# Altium PCB 工控主板.PcbDoc (part 1 of 2) (continued)
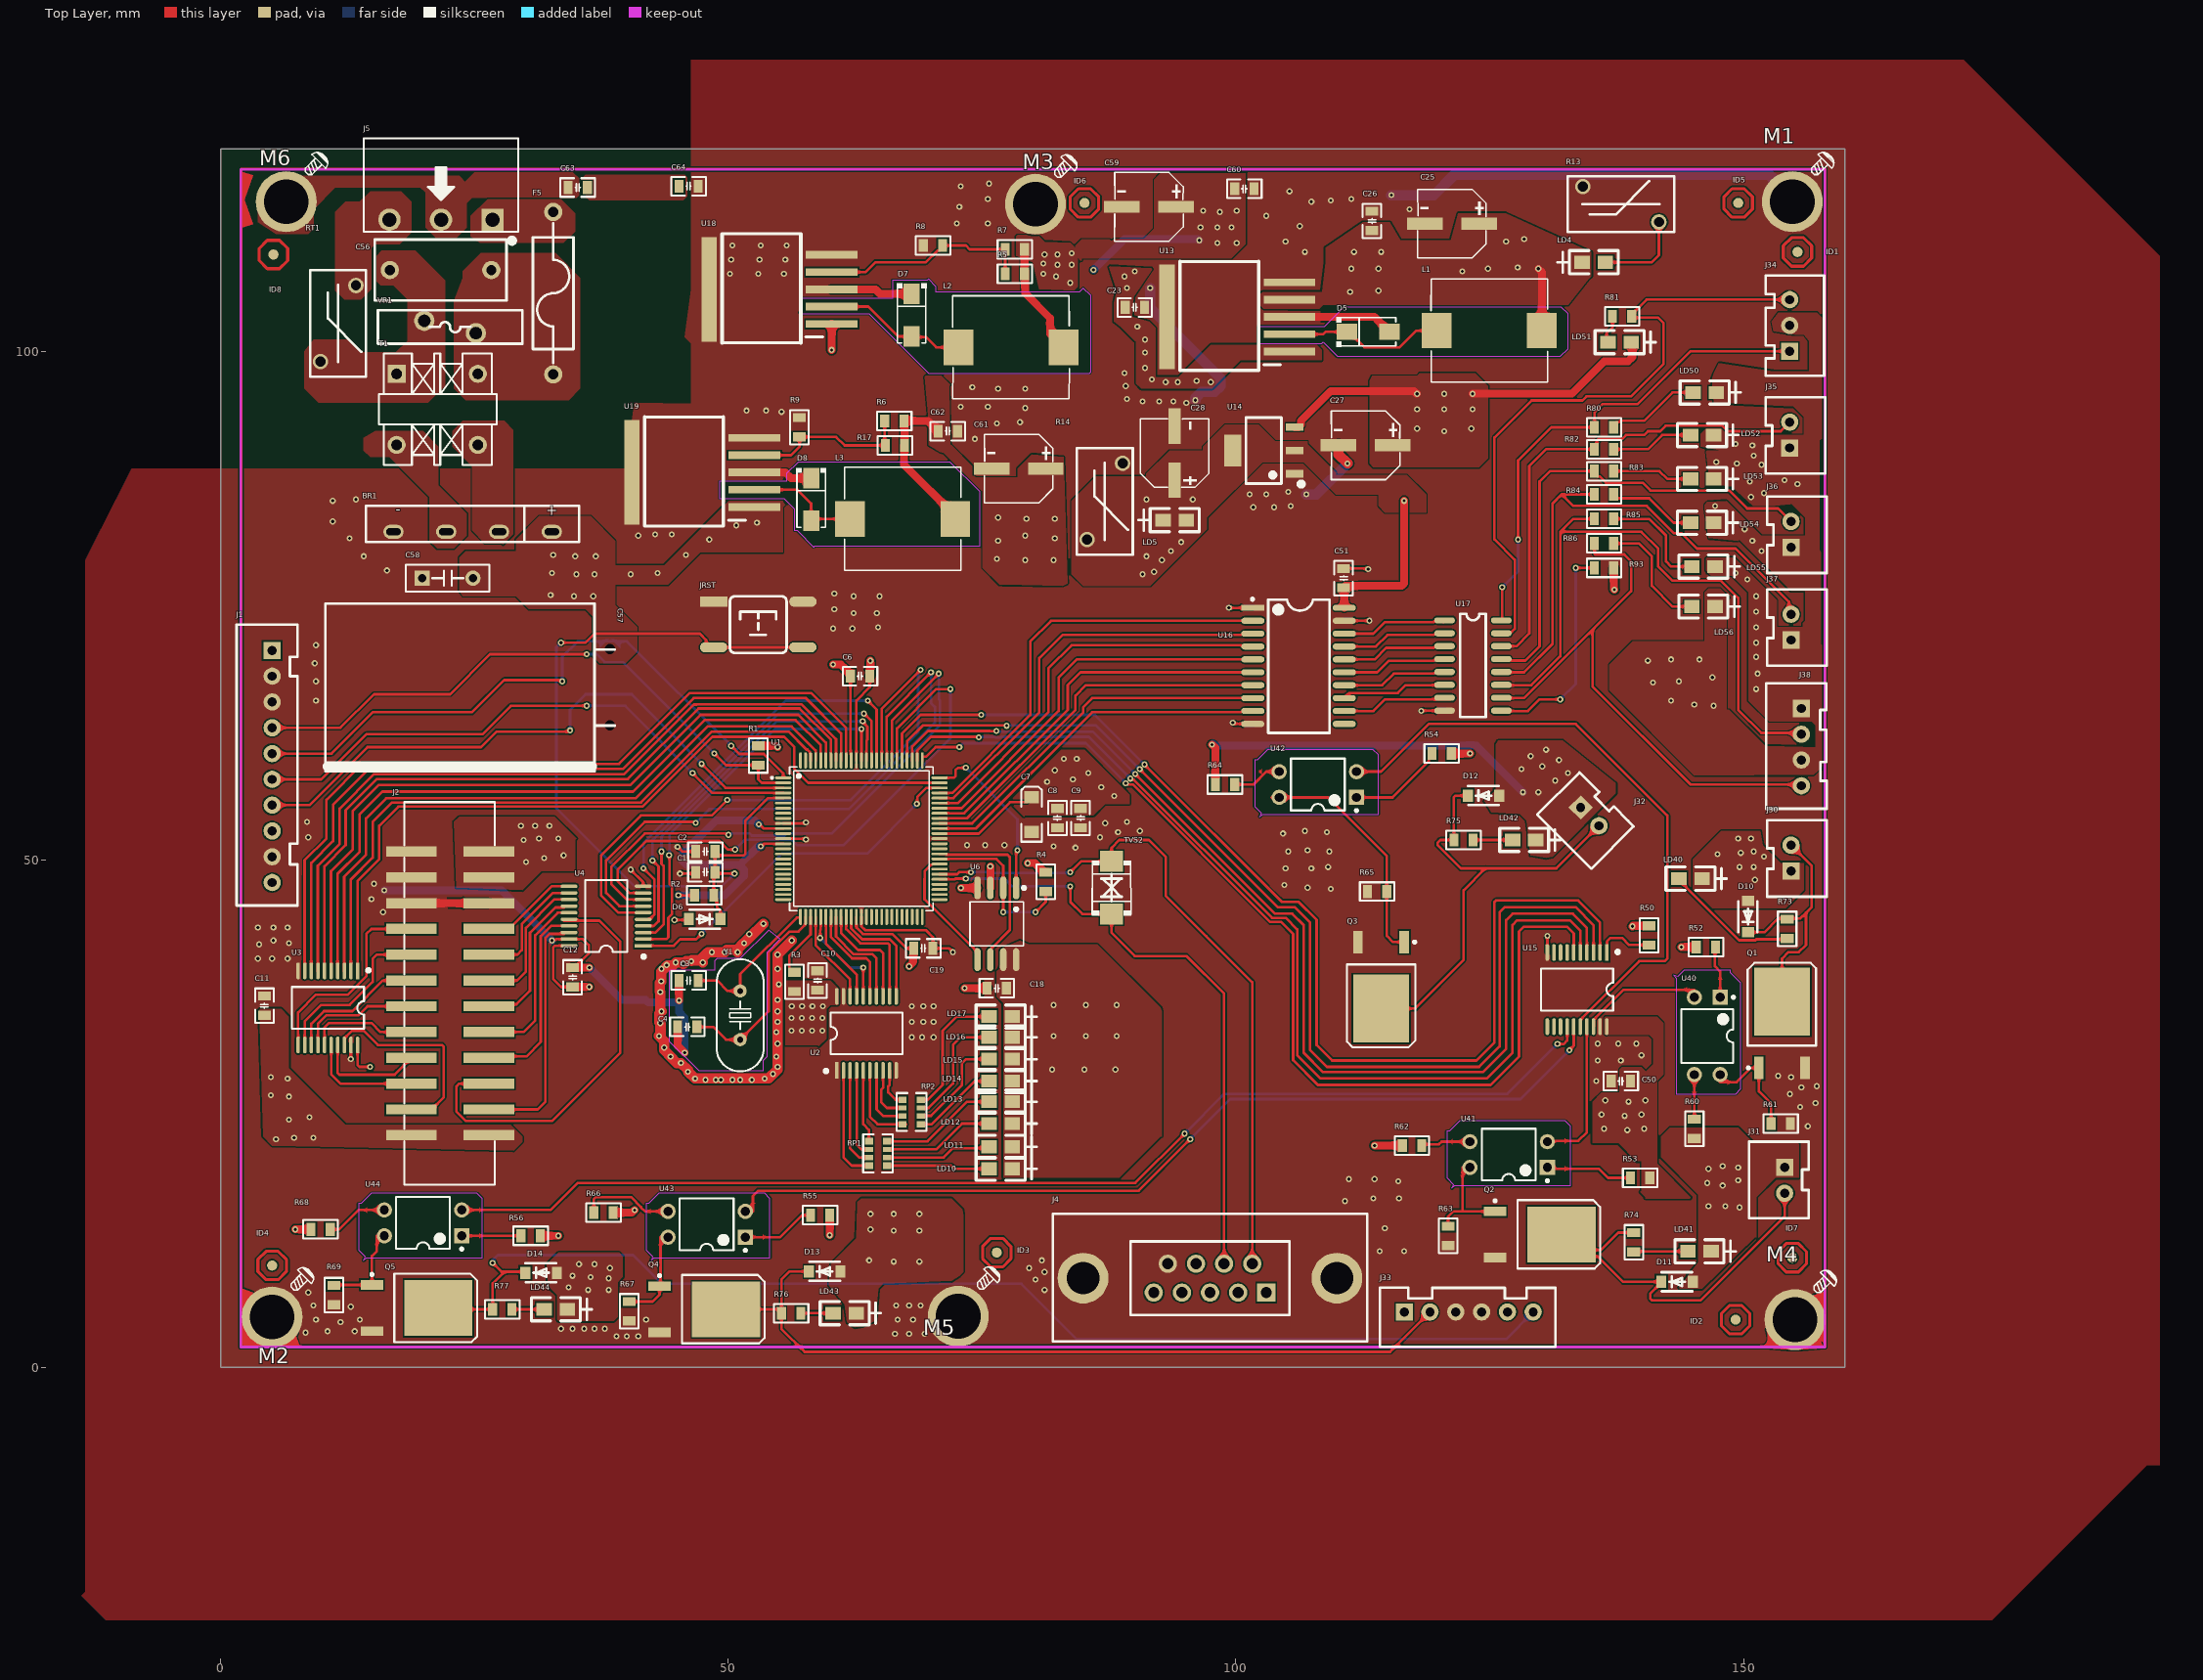
[diagram p0: Top Layer view]
## Footprints (in the part's own frame and the unit in brackets; to place one, negate y for a bottom-side part, rotate by r counter-clockwise, add the part's x,y. Pads: shape width x height; smd on the part's side, far side on the other; paste and mask are expansions set on the pad) (continued)
  silkscreen extent -7.08,-8.9 7.08,7.08, body extent -8,-8 8,8, height 1.05
TVS [mm]
  rect 2.047x2.241 smd: 1(-2.591,0) 2(2.591,0)
  silkscreen extent -2.67,-1.91 2.74,1.91, body extent -2.57,-1.81 2.83,1.81, height 2.96
UU1014 [mil]
  round 70 hole 40 slot 40.2 at 0 deg paste-99999 mask+2: 1(-142.33,162.7) 3(133.25,162.75) 4(133.25,-152.25)
  rect 70x70 hole 40 slot 40.2 at 0 deg paste-99999 mask+2: 2(-142.33,-152.25)
  silkscreen extent -221,-221 212,235
VH-3A [mm]
  rect 2.2x2.2 hole 1.4: 1(-5.08,0)
  round 2.2 hole 1.4: 2(0,0) 3(5.08,0)
  silkscreen extent -7.62,-8 7.62,2.31
XH-10P_2P54 [mm]
  rect 1.7x1.7 hole 0.9: 1(-11.43,0)
  round 1.7 hole 0.9: 2(-8.89,0) 3(-6.35,0) 4(-3.81,0) 5(-1.27,0) 6(1.27,0) 7(3.81,0) 8(6.35,0) 9(8.89,0) 10(11.43,0)
  silkscreen extent -13.97,-3.5 13.69,2.5, body extent -13.93,-3.3 13.93,2.4, height 7.03
?#1 [mm]
  round 1.5 hole 0.8: 2(2.5,0)
  rect 1.5x1.5 hole 0.8: ""(-2.5,0)
  silkscreen extent -4.11,-1.32 4.11,1.32, body extent -3.6,-1.15 3.6,1.15, height 6.55
?#2 [mm]
  rect 0.75x1.7 smd: 1(-2.3,-3.048) 2(0,-3.048) 3(2.3,-3.048)
  rect 3.1x1.7 smd: 2(0,3.048)
  silkscreen extent -3.5,-3.88 3.25,1.75, body extent -3.25,-3.51 3.25,3.51, height 1.65

## Part data
BR1: library part Bridge1, "Full Wave Diode Bridge", LatestRevisionDate=17-Jul-2002, LatestRevisionNote="Re-released for DXP Platform.", Published=8-Jun-2000, Publisher="Altium Limited"
C1 C2 C3 C4 C6 C8 C9 C10 C11 C12 C18 C19 C23 C26 C50 C51 C56 C58 C60 C62 C63 C64: "Capacitor", LatestRevisionDate=17-Jul-2002, LatestRevisionNote="Re-released for DXP Platform.", Published=8-Jun-2000, Publisher="Altium Limited"
  C1 C2 C3 C4 C6 C8 C9 C10 C11 C12 C18 C19: PackageDescription="Radial Cap, Thru-Hole; 2 Leads; 0.3 in Pin Spacing", PackageReference=RAD-0.3
C7: "Polarized Capacitor (Radial)", LatestRevisionDate=17-Jul-2002, LatestRevisionNote="Re-released for DXP Platform.", PackageDescription="Polarized Capacitor (Radial); 2 Leads", PackageReference=RB7.6-15, Published=8-Jun-2000, Publisher="Altium Limited"
C25 C27 C28 C59 C61: "Polarized Capacitor (Axial)", LatestRevisionDate=17-Jul-2002, LatestRevisionNote="Re-released for DXP Platform.", PackageDescription="Polarized Capacitor; 2 Leads", PackageReference=POLAR0.8, Published=8-Jun-2000, Publisher="Altium Limited"
C57: library part "Cap Pol1", "Polarized Capacitor (Radial)", LatestRevisionDate=17-Jul-2002, LatestRevisionNote="Re-released for DXP Platform.", Published=8-Jun-2000, Publisher="Altium Limited"
D5: library part "Diode 10TQ035", "Schottky Rectifier", PackageDocument=Feb-1998, DatasheetDocument=PD-2.057B, LatestRevisionDate=17-Jul-2002, LatestRevisionNote="Re-released for DXP Platform.", Note="Terminal 2 is the TAB and is electrically connected to the cathode", PackageReference=TO-220AC, Published=8-Jun-2000, Publisher="Altium Limited"
D6: library part Diode, "Default Diode", Code_JEDEC=DO-214-AB, LatestRevisionDate=17-Jul-2002, LatestRevisionNote="Re-released for DXP Platform.", PackageDescription="DO-214-AB/SMC; 2 C-Bend Leads; Body 7.9 x 5.9 mm, inc. leads (LxW)", PackageReference=SMC, PackageVersion=Sep-1996, Published=8-Jun-2000, Publisher="Altium Limited"
D7 D8: library part "D Zener", "Zener Diode", LatestRevisionDate=17-Jul-2002, LatestRevisionNote="Re-released for DXP Platform.", PackageDescription="Diode, Thru-Hole; 2 Leads; 0.7 in Pin Spacing", PackageReference=DIODE-0.7, Published=8-Jun-2000, Publisher="Altium Limited"
F5: "Fuse", LatestRevisionDate=17-Jul-2002, LatestRevisionNote="Re-released for DXP Platform.", Published=8-Jun-2000, Publisher="Altium Limited"
ID1 ID2 ID3 ID4 ID5 ID6 ID7 ID8: "SMT_Locotion", PCB DECAL=MARK
J1: library part "Header 10", "Header, 10-Pin", LatestRevisionDate=17-Jul-2002, LatestRevisionNote="Re-released for DXP Platform.", Publisher="Altium Limited"
J2: library part "Header 12X2", "Header, 12-Pin, Dual row", LatestRevisionDate=17-Jul-2002, LatestRevisionNote="Re-released for DXP Platform.", Publisher="Altium Limited"
LD4 LD5 LD10 LD11 LD12 LD13 LD14 LD15 LD16 LD17 LD40 LD41 LD42 LD43 LD44 LD50 LD51 LD52 LD53 LD54 LD55 LD56: library part LED0, "Typical INFRARED GaAs LED", Published=8-Jun-2000, Publisher="Altium Limited"
  LD4 LD5 LD40 LD41 LD42 LD43 LD44 LD50 LD51 LD52 LD53 LD54 LD55 LD56: LatestRevisionDate=17-Jul-2002, LatestRevisionNote="Re-released for DXP Platform."
  LD10 LD11 LD12 LD13 LD14 LD15 LD16 LD17: LatestRevisionDate=08-Jul-2005, LatestRevisionNote="Mech Layer 1 removed.", PackageDescription="LED; 2 Leads", PackageReference=LED-0
M1 M2 M3 M4 M5 M6: "MARK Symble", Created_by=CZD, Part_Type=MARK, PCB DECAL=MARK, Priority=A, RK_PN=MARK01, Source_Path=C:\USERS\STQ\DESKTOP\RK3399_BOX\RK3399_BOX_SCH_V1.0_20180521.DSN
R1 R2 R3 R4 R5 R6 R7 R8 R9 R17 R50 R52 R53 R54 R55 R56 R60 R61 R62 R63 R64 R65 R66 R67 R68 R69 R73 R74 R75 R76 R77 R80 R81 R82 R83 R84 R85 R86: "Resistor", Published=8-Jun-2000, Publisher="Altium Limited"
  R1 R2 R3 R4: LatestRevisionDate=29-May-2009, LatestRevisionNote="IPC-7351 Footprint Added.", PackageDescription="Chip Resistor", PackageReference=J1-0603
  R5 R6 R7 R8 R9 R17: LatestRevisionDate=17-Jul-2002, LatestRevisionNote="Re-released for DXP Platform.", PackageDescription="Axial Device, Thru-Hole; 2 Leads; 0.4 in Pin Spacing", PackageReference=AXIAL-0.4
  R50 R52 R53 R54 R55 R56 R60 R61 R62 R63 R64 R65 R66 R67 R68 R69 R73 R74 R75 R76 R77 R80 R81 R82 R83 R84 R85 R86: LatestRevisionDate=17-Jul-2002, LatestRevisionNote="Re-released for DXP Platform."
R13 R14 RT1: library part Res1, "Resistor", LatestRevisionDate=17-Jul-2002, LatestRevisionNote="Re-released for DXP Platform.", Published=8-Jun-2000, Publisher="Altium Limited"
R93: library part "R 1206", ComponentLink1Description="New link", Parameter 1=0
RP1 RP2: library part "RP 820"
T1: library part "Trans Eq", "Transformer (Equivalent Circuit Model)", LatestRevisionDate=17-Jul-2002, LatestRevisionNote="Re-released for DXP Platform.", Published=8-Jun-2000, Publisher="Altium Limited"
TVS2: library part SMD
U1: JLCPCB Part Class="Extended Part", LCSC Part Name=C8051F020-GQR, Low-Voltage Detect=有, Manufacturer="SKYWORKS/SILICON LABS(芯科)", Operating Temperature Range=-40℃~+85℃, Operating Voltage Range=2.7V~3.6V, ADC (Bit)=12bit；8bit, Add into BOM=yes, Convert to PCB=yes, CPU Core=51系列, CPU Maximum Speed=25MHz, DAC (Bit)=12bit, Datasheet=https://atta.szlcsc.com/upload/public/pdf/source/20160318/1458266986324.pdf, DEVICE=C8051F020-GQR, GPIO Ports Number=64, Internal Oscillator=有, Manufacturer Part=C8051F020-GQR, Peripheral/Function=温度传感器, Program Storage Size=64KB, Secure Digital Input and Output=-, Supplier=LCSC, Supplier Footprint=TQFP-100(14x14), Supplier Part=C18087, Symbol=C8051F020-GQR, Universal Serial Bus=-, Watchdog=有
U2 U3 U4: JLCPCB Part Class="Extended Part", LCSC Part Name=74HC245PW,118, Manufacturer=Nexperia(安世), Operating Temperature=-40℃~+125℃, Sink Current=7.8mA, Supply Voltage=2V~6V, Add into BOM=yes, Channel Type=-, Convert to PCB=yes, Datasheet=https://atta.szlcsc.com/upload/public/pdf/source/20180326/C70245_56281BCF84F9E7641D2BBB6A629E618A.pdf, DEVICE=74HC245PW,118, Input type=-, Logic Family=74HC, Manufacturer Part=74HC245PW,118, Number of Bits per Element=8, Number of Elements=1, output type=三态, Source Current=7.8mA, Supplier=LCSC, Supplier Footprint=TSSOP-20, Supplier Part=C5626, Symbol=74HC245PW,118
U6: JLCPCB Part Class="Extended Part", LCSC Part Name="W25X16VSSIG 停产", Manufacturer=WINBOND(华邦), Manufacturer Part=W25X16VSSIG, Add into BOM=yes, Convert to PCB=yes, Datasheet=https://atta.szlcsc.com/upload/public/pdf/source/20130607/1457706608717.pdf, DEVICE=W25X16VSSIG, Supplier=LCSC, Supplier Footprint=SOIC-8-208mil, Supplier Part=C13586, Symbol=W25X16VSSIG
U14: library part LM1117
U40 U41 U42 U43 U44: library part Optoisolator1, "Optoisolator", LatestRevisionDate=17-Jul-2002, LatestRevisionNote="Re-released for DXP Platform.", Published=24-Mar-1999, Publisher="Altium Limited"
VR1: library part "VR 561K"
Y1: library part XTAL, "Crystal Oscillator", LatestRevisionDate=17-Jul-2002, LatestRevisionNote="Re-released for DXP Platform.", PackageDescription="Crystal, Thru-Hole; 2 Leads; Body 3.1 x 8.2 mm (Dia.xH)", PackageReference=R38, Published=8-Jun-2000, Publisher="Altium Limited"
L1 L2 L3: Code_IEC=1005, Code_JEITA=0402, LatestRevisionDate=17-Jul-2002, LatestRevisionNote="Re-released for DXP Platform.", PackageReference=0402-A, Published=8-Jun-2000, Publisher="Altium Limited"

## Via types
v1: diameter 0.6, hole 0.305, Top Layer to Bottom Layer, tented both sides, 536 vias

## Nets (pads, with @x,y where several pads share a name; then routed paths per layer and width w, separated by ;. In a path a pad name is that pad's centre, name@x,y a point inside that pad or via, vN(x,y) a via of type N, cw(c..) or ccw(c..) an arc to the next point about the centre after c; other vN are vias at no path point)
+3.3V: C6.2 C7.1 C8.2 C9.2 C10.2 C11.2 C12.2 C18.2 C19.2 C28.1 C50.2 C51.2 D6.2 J1.1 J2.1 J2.2 J2.22 J2.24 LD5.1 LD5.2 LD10.1 LD11.1 LD12.1 LD13.1 LD14.1 LD15.1 LD16.1 LD17.1 R1.2 R2.2 R3.2 R4.2 R14.2 R50.2 R52.2 R53.2 R54.2 R55.2 R56.2 U1.11 U1.14 U1.37 U1.64 U1.90 U2.20 U3.20 U4.20 U6.3 U6.7 U6.8 U14.2 U15.20 U16.20 | length 108.7
  Top Layer w0.254: U3.20@13.462,31.75 13.492,31.72 13.492,29.782 13.683,29.591 v1(14.732,29.591) ; U4.20@34.323,41.525 U4.20@34.323,41.525 32.915,41.524 32.766,41.375 32.766,38.227 33.523,37.47 C12.2@34.671,37.47 ; v1(44.704,44.069) 46.047,44.069 D6.2@46.13,44.152 ; v1(45.086,46.486) R2.2@46.643,46.486 ; v1(53.02,53.471) 53.098,53.471 53.499,53.07 U1.11@55.419,53.07 ; v1(53.213,51.308) 53.307,51.308 53.569,51.57 U1.14@55.419,51.57 55.444,51.57 U1.14@55.452,51.562 ; C6.2@62.042,68.072 62.042,60.514 62.119,60.437 U1.90@62.119,59.77 ; U1.37@62.619,44.37 62.619,43.316 63.262,42.672 66.167,42.672 67.564,41.275 C19.2@68.265,41.275 ; U1.64@70.819,52.57 74.668,52.57 77.759,55.661 79.41,55.661 C7.1@79.883,56.134
  Top Layer w0.762: R56.2@31.491,12.954 v1(33.274,12.954) ; C12.2@34.671,37.47 v1(36.317,37.47) ; R1.2@52.959,61.209 54.742,61.209 v1(54.864,61.087) ; v1(60.005,13.015) R55.2@60.005,14.986 ; v1(60.325,69.215) 61.09,69.215 62.042,68.263 C6.2@62.042,68.072 ; v1(67.818,39.497) 68.202,39.881 68.202,41.212 C19.2@68.265,41.275 ; U6.3@75.819,47.218 v1(75.819,49.347) ; v1(79.502,49.657) 80.2,49.657 81.09,48.768 R4.2@81.28,48.768 ; U16.20@110.677,74.803 110.677,76.714 C51.2@110.617,76.774 110.805,76.962 116.332,76.962 116.586,77.216 v1(116.586,85.344) ; R54.2@121.219,60.452 v1(123.063,60.452) ; v1(139.065,43.434) 139.126,43.495 R50.2@140.716,43.495 ; v1(143.891,41.402) R52.2@145.354,41.402
  Bottom Layer w0.762: v1(45.086,46.486) 49.661,46.486 51.562,48.387 51.562,49.018 51.116,49.465 ; v1(53.02,53.471) 52.643,53.848 48.768,53.848 45.462,50.542 45.462,49.911 45.909,49.465 51.116,49.465 ; v1(53.213,51.308) 52.959,51.308 51.116,49.465
  other v1: 5.461,22.479 7.239,22.606 9.144,22.606 138.557,23.368 136.271,23.495 140.208,23.495 6.731,24.384 8.763,24.638 138.303,24.765 136.017,24.892 139.954,24.892 138.684,26.162 136.398,26.289 140.335,26.289 6.731,26.67 4.953,26.797 6.604,28.448 4.953,28.575 81.915,29.337 85.09,29.337 88.138,29.337 82.042,32.639 85.217,32.639 88.265,32.639 56.227,33.152 57.243,33.152 58.259,33.152 59.275,33.152 56.227,34.422 57.243,34.422 58.259,34.422 59.275,34.422 56.261,35.56 57.277,35.56 58.293,35.56 59.309,35.56 82.042,35.687 85.217,35.687 88.265,35.687 30.099,49.784 31.877,50.165 33.782,50.419 29.845,51.943 31.369,52.07 33.274,52.07 29.591,53.34 30.988,53.34 32.385,53.34 88.011,56.261 86.741,57.15 81.407,57.658 83.947,57.912 85.471,58.547 82.169,58.801 83.058,59.944 84.328,59.944 90.805,78.105 91.948,78.359 92.71,79.502 91.186,79.883 93.599,80.391 94.615,81.28 91.186,85.471 95.758,85.471
+5V: C25.1 C26.1 C27.1 D13.2 D14.2 J33.1 J33.5 J34.2 J35.1 J36.1 J37.1 J38.1 J38.3 L1.2 LD4.1 LD43.1 LD44.1 LD50.1 LD51.1 LD52.1 LD53.1 LD54.1 LD55.1 LD56.1 U13.4 U14.3 | length 38.8
  Top Layer w0.762: U14.3@105.791,92.597 106.15,92.597 106.398,92.845 106.398,93.204 109.333,96.139 117.534,96.139 117.788,95.885 v1(117.856,95.885) ; v1(123.317,95.885) 133.096,95.885 136.274,99.063 138.619,99.063 139.065,99.509 LD51.1@139.065,100.965 ; v1(129.794,108.204) 130.148,107.85 L1.2@130.148,102.108
  other v1: 36.195,7.62 38.227,7.62 34.29,7.874 38.227,8.763 36.449,8.89 34.671,9.017 38.354,9.779 35.306,10.16 36.83,10.16 66.294,10.414 68.834,10.414 63.881,10.541 66.294,13.462 68.834,13.462 64.008,13.589 64.008,15.113 66.294,15.113 68.834,15.113 147.066,65.151 145.161,65.278 142.875,65.659 151.257,66.802 141.097,67.437 143.637,67.564 146.939,67.945 151.384,68.326 140.589,69.596 142.875,69.723 145.669,69.723 151.257,69.977 151.257,71.374 151.257,72.898 151.257,74.422 151.257,75.946 150.368,77.597 149.225,78.232 151.765,80.391 150.876,81.407 150.114,82.55 147.193,84.836 150.749,85.725 152.019,86.106 155.321,86.995 150.622,87.249 154.051,87.376 151.765,88.9 149.352,89.027 147.32,89.154 151.003,89.789 150.876,90.805 149.225,90.932 120.523,92.202 117.856,92.456 123.19,92.456 117.856,94.361 120.523,94.361 123.317,94.361 120.523,95.885 111.252,105.918 114.046,106.045 122.301,107.95 111.379,108.204 114.046,108.204 124.841,108.204 127.762,108.331 111.633,109.855 114.3,109.855 126.619,110.871 128.397,111.125
+12V: C23.2 D12.2 J32.1 LD42.1 R64.1 R66.1 R68.1 U13.1 | length 40.4
  Top Layer w0.762: v1(7.366,13.589) R68.1@8.895,13.589 ; R66.1@38.669,15.24 40.513,15.24 v1(40.767,15.494) ; v1(97.663,61.341) 97.983,61.021 R64.1@97.983,57.404
  Bottom Layer w0.762: v1@97.729,61.407 97.922,61.214 122.646,61.214 122.718,61.285 123.408,61.285 123.48,61.214 123.698,61.214 v1(128.27,56.642)
  other v1: 129.794,56.642 131.445,57.785 132.715,58.547 128.143,58.928 130.175,59.182 131.826,59.817 129.032,60.198 130.556,60.833 93.091,97.028 94.29,97.028 97.536,97.028 96.139,97.155 91.717,97.305 91.059,98.425 91.059,99.949 91.059,101.219 90.297,102.489 89.281,106.299 89.027,107.442 90.043,107.95
+24V: C59.1 C60.2 C61.1 C62.2 D10.2 D11.2 J30.1 J31.1 L2.2 L3.2 LD40.1 LD41.1 R5.1 R6.1 R7.2 R17.2 R60.1 R62.1 | length 41.6
  Top Layer w0.762: C62.2@70.678,92.202 70.678,92.393 70.615,92.456 70.424,92.456 69.662,93.218 R6.1@67.305,93.218 67.305,93.027 67.371,92.961 R17.2@67.371,90.805 67.31,90.744 67.31,88.907 72.363,83.854 L3.2@72.363,83.566 ; R5.1@79.182,107.696 R7.2@79.182,110.109 ; R5.1@79.248,107.95 79.248,105.791 81.696,103.343 81.696,101.792 L2.2@83.031,100.457 ; v1(113.665,21.844) R62.1@116.398,21.844
  Bottom Layer w0.762: v1(85.979,108.077) 89.027,111.125 96.266,111.125 v1(96.393,110.998)
  other v1: 149.606,15.748 146.558,15.875 148.209,15.875 147.955,17.907 146.431,18.161 149.479,18.415 146.558,19.558 149.479,19.685 147.955,19.812 151.13,48.006 149.606,49.276 151.003,49.276 152.019,50.292 147.447,50.546 149.733,50.673 151.003,50.8 149.479,52.07 150.749,52.07 79.248,79.502 82.042,79.502 76.454,79.629 76.581,81.407 82.169,81.661 79.248,81.915 79.375,83.566 82.169,83.566 76.581,83.693 83.693,106.807 82.296,107.442 81.026,107.696 82.423,108.585 83.82,108.585 81.026,108.712 81.153,109.601 82.423,109.601 83.82,109.728 98.171,110.744 100.076,110.744 96.52,112.268 98.171,112.268 99.568,112.268 98.425,113.792 96.774,113.919 100.076,113.919
+VBUS: BR1.1 C57.1 C58.2 U18.1 U19.1 | length 2.6
  Top Layer w0.762: v1(60.198,100.203) U18.1@60.198,102.772
  other v1: 34.798,75.946 36.703,75.946 32.512,76.073 35.052,78.105 36.83,78.105 40.386,78.105 32.639,78.232 43.053,78.232 34.925,79.883 36.957,79.883 32.766,80.01 45.847,80.01 48.133,81.534 50.8,82.931 52.832,83.185
CARD_SHUTTER: U15.15 U43.2 | length 90.4
  Top Layer w0.254: U43.2@52.429,15.367 52.429,16.869 52.959,17.399 90.424,17.399 v1(95.504,22.479) ; v1(132.842,31.242) 133.279,31.679 U15.15@133.279,33.561
  Bottom Layer w0.254: v1(95.504,22.479) 99.441,26.416 128.016,26.416 v1(132.842,31.242)
COIN_SHUTTER: U15.18 U40.2 | length 11.8
  Top Layer w0.254: U15.18@135.229,33.561 135.26,33.592 135.26,34.242 138.207,37.189 U40.2@145.161,37.189
D0_17: U1.36 U2.11 | length 11.3
  Top Layer w0.254: U1.36@62.119,44.37 62.119,43.241 63.196,42.164 65.913,42.164 66.552,41.525 U2.11@66.552,36.543
D0_18: U1.35 U2.12 | length 11.2
  Top Layer w0.254: U1.35@61.619,44.37 61.619,43.166 63.027,41.758 65.745,41.758 65.902,41.6 U2.12@65.902,36.543
D0_19: U1.34 U2.13 | length 11
  Top Layer w0.254: U1.34@61.119,44.37 61.119,42.767 62.788,41.098 64.947,41.098 65.252,40.793 U2.13@65.252,36.543 U2.13@65.252,36.322
D0_20: U1.33 U2.14 | length 10.6
  Top Layer w0.254: U1.33@60.619,44.37 60.619,42.438 62.366,40.691 64.211,40.691 64.602,40.3 U2.14@64.602,36.543
D0_21: U1.32 U2.15 | length 10.2
  Top Layer w0.254: U1.32@60.119,44.37 60.119,42.364 62.198,40.285 63.601,40.285 63.952,39.934 U2.15@63.952,36.543
D0_22: U1.31 U2.17 | length 9.1
  Top Layer w0.254: U1.31@59.619,44.37 59.619,41.714 62.652,38.681 U2.17@62.652,36.543
D0_23: U1.30 U2.16 | length 10.4
  Top Layer w0.254: v1(59.055,42.291) 59.055,43.045 59.119,43.109 U1.30@59.119,44.37 ; U2.16@63.302,36.543 v1(63.302,39.37)
  Bottom Layer w0.254: v1(59.055,42.291) 61.976,39.37 v1(63.302,39.37)
D0_24: U1.29 U2.18 | length 9.2
  Top Layer w0.254: U1.29@58.619,44.37 58.619,41.584 62.002,38.201 U2.18@62.002,36.543
DIO_01: U1.98 U3.2 | length 64.1
  Top Layer w0.254: U3.2@12.826,38.99 12.826,48.058 14.979,50.211 14.979,53.714 16.891,55.626 41.402,55.626 48.387,62.611 55.945,62.611 57.707,60.849 57.793,60.849 58.038,60.604 58.038,60.518 58.119,60.437 U1.98@58.119,59.77
DIO_02: U1.97 U3.3 | length 66
  Top Layer w0.254: U3.3@12.176,38.99 12.176,48.327 14.329,50.48 14.329,54.08 16.302,56.053 40.897,56.053 47.964,63.119 56.261,63.119 58.619,60.761 U1.97@58.619,59.77
DIO_03: U1.96 U3.4 | length 68.2
  Top Layer w0.254: U3.4@11.526,38.99 11.526,48.596 13.679,50.749 13.679,54.446 15.936,56.703 40.628,56.703 47.679,63.754 56.642,63.754 59.11,61.286 U1.96@59.11,59.789
DIO_04: U1.95 U3.5 | length 70.1
  Top Layer w0.254: U3.5@10.876,38.99 10.876,48.866 13.029,51.018 13.029,54.812 15.57,57.353 40.359,57.353 47.268,64.262 56.896,64.262 59.619,61.539 U1.95@59.619,59.77
DIO_05: U1.94 U3.6 | length 71.9
  Top Layer w0.254: U3.6@10.242,39.05 10.242,49.358 12.319,51.435 12.319,54.864 15.392,57.937 40.117,57.937 47.077,64.897 57.023,64.897 60.119,61.801 U1.94@60.119,59.77
DIO_06: U1.93 U3.7 | length 73.6
  Top Layer w0.254: U3.7@9.576,38.99 9.576,49.404 11.729,51.557 11.729,55.036 15.113,58.42 39.751,58.42 46.609,65.278 46.883,65.278 46.908,65.303 57.191,65.303 60.619,61.876 U1.93@60.619,59.77
DIO_07: U1.92 U3.8 | length 75.8
  Top Layer w0.254: U3.8@8.926,38.99 8.926,49.673 11.079,51.826 11.079,55.402 14.605,58.928 39.624,58.928 46.609,65.913 57.658,65.913 61.119,62.452 U1.92@61.119,59.77
DIO_08: U1.91 U3.9 | length 78
  Top Layer w0.254: U3.9@8.276,38.99 8.276,49.942 10.429,52.095 10.429,55.895 13.97,59.436 39.243,59.436 46.228,66.421 58.166,66.421 61.619,62.968 U1.91@61.619,59.77
DIO_09: U1.88 U4.2 | length 39.2
  Top Layer w0.254: U4.2@41.623,42.175 43.92,42.175 44.1,42.355 44.1,44.284 44.45,44.634 44.45,47.357 44.213,47.594 44.213,50.411 v1(44.182,50.441) ; U1.88@63.119,59.77 v1(63.119,62.865)
  Bottom Layer w0.254: v1(44.182,50.441) 44.213,50.471 44.213,52.468 54.61,62.865 v1(63.119,62.865)
DIO_10: U1.87 U4.3 | length 39.6
  Top Layer w0.254: U4.3@41.623,42.825 42.829,42.825 43.633,43.629 43.633,49.398 43.434,49.597 v1(43.434,50.8) ; v1(63.246,63.627) 63.246,63.569 63.698,63.116 63.698,61.813 63.619,61.734 U1.87@63.619,59.77
  Bottom Layer w0.254: v1(43.434,50.8) 43.434,52.264 54.797,63.627 v1@63.229,63.627
DIO_11: U1.86 U4.4 | length 40.8
  Top Layer w0.254: U4.4@41.623,43.475 42.68,43.475 43.134,43.929 43.134,49.322 v1(42.545,49.911) ; v1(63.373,64.389) 64.119,63.643 U1.86@64.119,59.77
  Bottom Layer w0.254: v1(42.545,49.911) 42.545,51.949 54.985,64.389 v1@63.301,64.389
DIO_12: U1.85 U4.5 | length 42.9
  Top Layer w0.254: U4.5@41.623,44.125 42.273,44.125 42.727,44.579 42.727,48.078 v1(41.656,49.149) ; v1(63.754,65.659) 64.619,64.794 U1.85@64.619,59.77
  Bottom Layer w0.254: v1(41.656,49.149) 41.656,51.635 55.68,65.659 v1@63.679,65.659
DIO_13: U1.84 U4.6 | length 61.9
  Top Layer w0.254: U4.6@41.623,44.775 39.172,44.775 37.465,46.482 37.465,50.419 41.402,54.356 48.387,54.356 v1(49.911,55.88) ; U1.84@65.119,59.77 65.119,64.865 v1(68.961,68.707)
  Bottom Layer w0.254: v1(49.911,55.88) 62.061,55.88 68.707,62.526 68.707,68.385 68.961,68.639 v1(68.961,68.707)
DIO_14: U1.83 U4.7 | length 61.1
  Top Layer w0.254: U4.7@41.623,45.425 39.284,45.425 37.973,46.736 37.973,49.911 41.783,53.721 46.47,53.721 46.494,53.697 46.725,53.697 v1(46.792,53.631) ; U1.83@65.619,59.77 65.619,64.095 v1(69.977,68.453)
  Bottom Layer w0.254: v1(46.792,53.631) 48.152,54.991 61.849,54.991 70.358,63.5 70.358,65.041 69.977,65.422 v1(69.977,68.453)
DIO_15: U1.82 U4.8 | length 59.5
  Top Layer w0.254: U4.8@41.623,46.075 40.031,46.075 38.481,47.625 38.481,49.271 41.788,52.578 49.716,52.578 49.777,52.517 49.972,52.517 v1(50.038,52.451) ; U1.82@66.119,59.77 66.124,59.775 66.124,63.711 v1(70.739,68.326)
  Bottom Layer w0.254: v1(50.038,52.451) 50.104,52.517 50.299,52.517 50.36,52.578 52.122,52.578 52.325,52.375 55.545,52.375 55.748,52.578 60.198,52.578 70.866,63.246 70.866,65.676 70.739,65.803 v1(70.739,68.326)
DIO_16: U1.81 U4.9 | length 58.3
  Top Layer w0.254: U4.9@41.623,46.725 40.27,46.725 39.116,47.879 39.116,49.008 41.95,51.842 49.135,51.842 49.978,50.998 v1(50.673,50.998) ; U1.81@66.619,59.77 66.624,59.775 66.624,62.941 70.485,66.802 v1(71.882,66.802)
  Bottom Layer w0.254: v1(50.673,50.998) 51.643,51.968 56.256,51.968 56.806,51.419 61.325,51.419 71.882,61.976 v1(71.882,66.802)
DO_01: U1.80 U15.2 | length 112
  Top Layer w0.254: U1.80@67.119,59.77 67.124,59.775 67.124,62.425 68.961,64.262 v1(74.93,64.262) ; v1(90.997,59.371) 104.521,45.847 106.172,45.847 107.95,44.069 107.95,31.75 109.474,30.226 123.698,30.226 125.476,32.004 125.476,45.825 125.625,45.974 133.725,45.974 135.879,43.82 U15.2@135.879,40.861
  Bottom Layer w0.254: v1(74.93,64.262) 86.106,64.262 v1(90.997,59.371)
DO_02: U1.79 U15.3 | length 109.2
  Top Layer w0.254: U1.79@67.619,59.77 67.624,59.775 67.624,61.655 69.215,63.246 77.359,63.246 v1(77.414,63.19) ; v1(90.538,58.911) 104.125,45.324 105.806,45.324 107.315,43.815 107.315,31.242 108.966,29.591 123.952,29.591 125.984,31.623 125.984,44.816 126.492,45.324 133.456,45.324 135.229,43.551 U15.3@135.229,40.861
  Bottom Layer w0.254: v1(77.414,63.19) 77.47,63.246 86.203,63.246 v1(90.538,58.911)
DO_03: U1.78 U15.4 | length 106.6
  Top Layer w0.254: U1.78@68.124,59.775 68.124,61.139 69.667,62.682 75.748,62.682 75.763,62.667 v1(76.404,62.667) ; v1(90.078,58.452) 103.856,44.674 105.567,44.674 106.68,43.561 106.68,30.988 108.585,29.083 124.333,29.083 126.619,31.369 126.619,44.039 127.254,44.674 133.186,44.674 134.579,43.281 U15.4@134.579,40.861
  Bottom Layer w0.254: v1(76.404,62.667) 76.46,62.611 85.919,62.611 v1(90.078,58.452)
DO_04: U1.77 U15.5 | length 104.5
  Top Layer w0.254: U1.77@68.619,59.77 68.619,60.745 69.977,62.103 74.62,62.103 v1(74.676,62.047) ; v1(89.618,57.992) 89.712,57.992 89.832,57.872 89.965,57.872 103.57,44.268 104.906,44.268 106.045,43.128 106.045,30.756 108.353,28.448 124.714,28.448 127.254,30.988 127.254,43.561 127.717,44.024 132.917,44.024 133.929,43.012 U15.5@133.929,40.861
  Bottom Layer w0.254: v1(74.676,62.047) 74.732,62.103 76.27,62.103 76.341,62.032 76.821,62.032 76.892,62.103 85.507,62.103 v1(89.618,57.992)
DO_05: U1.76 U15.6 | length 102.1
  Top Layer w0.254: U1.76@69.119,59.77 69.119,60.13 69.131,60.142 69.491,60.142 70.436,61.087 v1(72.771,61.087) ; v1(89.159,57.532) 89.252,57.532 89.372,57.413 89.85,57.413 103.401,43.861 104.475,43.861 105.639,42.697 105.639,30.251 108.077,27.813 125.095,27.813 127.889,30.607 127.889,42.926 128.337,43.374 132.648,43.374 133.279,42.743 U15.6@133.279,40.861
  Bottom Layer w0.254: v1(72.771,61.087) 73.152,61.468 85.223,61.468 v1(89.159,57.532)
DO_06: U1.75 U6.1 | length 17.3
  Top Layer w0.254: U1.75@70.819,58.07 72.241,58.07 72.39,58.219 72.39,58.801 72.644,59.055 v1(73.406,59.055) ; U6.1@78.359,47.218 78.359,50.706 78.486,50.833 v1(78.486,50.927)
  Bottom Layer w0.254: v1(73.406,59.055) 78.486,53.975 v1(78.486,50.927)
DO_07: U1.74 U3.1 | length 77.1
  Top Layer w0.254: U3.1@13.492,39.05 13.492,47.909 15.621,50.038 15.621,53.34 17.501,55.22 41.57,55.22 48.454,62.103 55.499,62.103 56.515,61.087 56.515,58.928 57.873,57.57 U1.74@70.819,57.57
DO_08: U1.73 U4.1 | length 36
  Top Layer w0.254: U4.1@41.623,41.525 44.64,41.525 45.279,42.164 46.847,42.164 v1(47.371,42.688) ; v1(68.58,55.499) 68.626,55.545 68.626,56.18 69.516,57.07 U1.73@70.819,57.07
  Bottom Layer w0.254: v1(47.371,42.688) 55.293,50.61 63.691,50.61 v1(68.58,55.499)
DO_09: U1.72 U16.2 | length 42.6
  Top Layer w0.254: U1.72@70.819,56.57 72.064,56.57 79.756,64.262 79.756,71.501 81.788,73.533 U16.2@102.15,73.533
DO_10: U1.71 U16.3 | length 40.9
  Top Layer w0.254: U1.71@70.819,56.07 72.199,56.07 80.645,64.516 80.645,69.85 82.931,72.136 100.513,72.136 100.573,72.197 101.813,72.197 U16.3@101.874,72.136
DO_11: U1.70 U16.4 | length 40.5
  Top Layer w0.254: U1.70@70.819,55.57 72.588,55.57 81.534,64.516 81.534,68.834 83.82,71.12 100.513,71.12 100.573,71.059 102.28,71.059 U16.4@102.34,71.12
DO_12: U1.69 U16.5 | length 39.2
  Top Layer w0.254: U1.69@70.819,55.07 72.977,55.07 82.55,64.643 82.55,67.945 84.328,69.723 U16.5@102.038,69.723
DO_13: U1.68 U16.6 | length 38.3
  Top Layer w0.254: U1.68@70.819,54.57 73.239,54.57 83.439,64.77 83.439,67.183 84.709,68.453 U16.6@101.974,68.453
DO_14: U1.67 U16.7 | length 37.6
  Top Layer w0.254: U1.67@70.819,54.07 73.501,54.07 84.201,64.77 84.201,66.167 85.217,67.183 U16.7@102.158,67.183
DO_15: U1.66 U16.8 | length 36.3
  Top Layer w0.254: U1.66@70.819,53.57 74.017,53.57 84.963,64.516 84.963,65.024 85.852,65.913 U16.8@101.677,65.913
DO_16: U1.65 U16.9 | length 35.9
  Top Layer w0.254: U1.65@70.819,53.07 74.406,53.07 85.852,64.516 100.513,64.516 100.573,64.577 101.868,64.577 U16.9@101.929,64.516
EGND: C63.1 J5.2 M6.1
GND: BR1.4 C1.2 C2.2 C3.1 C4.1 C6.1 C7.2 C8.1 C9.1 C10.1 C11.1 C12.1 C18.1 C19.1 C23.1 C25.2 C26.2 C27.2 C28.2 C50.1 C51.1 C57.2 C58. C59.2 C60.1 C61.2 C62.1 C64.2 D5.2 D7.1 D8.1 J1.2 J1.3 J1.9 J2.19 J2.20 J2.21 J2.23 J4.9 J4.10 J4.11 J33.3 J33.4 JRST.1 JRST.4 M1.1 M2.1 M3.1 M4.1 M5.1 Q1.3 Q2.3 Q3.3 Q4.3 Q5.3 R8.2 R9.2 R13.1 R14.1 R61.1 R63.1 R65.1 R67.1 R69.1 R93.1 U1.10 U1.13 U1.38 U1.63 U1.89 U2.1 U2.10 U2.19 U3.10 U3.19 U4.10 U4.19 U6.4 U13.3 U13.5 U13.6 U14.1 U15.10 U15.19 U16.1 U16.10 U16.19 U17.8 U18.3 U18.5 U18.6 U19.3 U19.5 U19.6 | length 196.9
  Top Layer w0.254: v1(12.827,30.353) U3.19@12.827,31.735 ; v1(32.639,42.037) 32.705,42.103 32.987,42.103 33.059,42.175 U4.19@34.323,42.175 35.676,42.175 36.26,41.591 36.26,40.769 C12.1@34.861,39.37 ; v1(40.386,49.022) 41.623,47.785 U4.10@41.623,47.375 ; v1(45.004,51.262) 45.042,51.262 45.504,50.8 C2.2@46.802,50.8 ; v1(45.245,48.631) 46.665,48.631 C1.2@46.802,48.768 ; U1.13@55.419,52.07 v1@57.493,52.07 ; U1.10@55.419,53.57 57.469,53.57 57.564,53.665 v1(57.658,53.665) ; U1.89@62.619,59.77 62.619,65.667 63.942,66.99 C6.1@63.942,68.072 ; U1.38@63.119,44.37 63.119,43.434 63.5,43.053 69.469,43.053 70.165,42.357 C19.1@70.165,41.275 71.755,41.275 v1(72.136,40.894) ; v1(99.314,74.803) U16.1@101.677,74.803 ; v1(99.695,63.5) 99.822,63.373 U16.10@101.667,63.373 ; C51.1@110.617,78.674 112.969,78.674 v1(113.03,78.613) ; U16.19@110.677,73.533 v1(113.157,73.533) ; v1@118.237,64.643 118.272,64.678 U17.8@120.558,64.678 ; U15.10@130.679,40.861 v1(130.679,42.512)
  Top Layer w0.762: J2.19@18.796,45.72 J2.20@26.416,45.72 ; C12.1@34.671,39.37 34.861,39.37 v1(36.322,39.37) ; C4.1@45.024,33.528 45.024,31.684 v1(45.72,30.988) ; v1(45.151,36.129) C3.1@45.151,38.1 ; U19.3@52.578,88.138 52.584,88.132 55.632,88.132 56.193,87.571 D8.1@58.166,87.571 ; U18.3@60.198,106.172 64.516,106.172 64.956,105.732 D7.1@68.072,105.732 ; C6.1@63.942,68.072 64.006,68.136 v1(64.006,69.594) ; v1(72.924,47.218) U6.4@74.549,47.218 ; v1(73.279,37.338) C18.1@75.504,37.338 ; U13.3@105.283,103.456 113.655,103.456 D5.2@115.13,101.981 ; R93.1@137.221,78.74 137.221,76.647 v1(137.287,76.581)
  Top Layer w1.016: C27.2@110.109,90.805 110.109,89.916 v1(110.998,89.027)
  Bottom Layer w0.762: v1(16.129,46.99) 27.686,46.99 v1(32.639,42.037) ; v1(36.322,39.37) 39.497,36.195 41.874,36.195 42.128,35.941 v1@45.085,35.941 ; v1(45.151,36.129) 45.151,34.991 45.72,34.422 v1(45.72,30.988)
  Bottom Layer w1.016: v1(91.567,106.299) 91.567,104.355 98.496,97.426 98.496,96.63 97.934,96.068 96.607,96.068 96.012,95.472 v1(96.012,95.25) ; v1(106.934,85.979) 107.95,85.979 v1(110.998,89.027) ; v1(115.316,115.443) 119.507,115.443 121.539,117.475 152.525,117.475 M1.1@155,115
  other v1: 38.989,3.048 40.005,3.048 41.148,3.048 66.421,3.302 67.818,3.302 69.342,3.302 8.382,3.429 10.541,3.556 13.208,3.556 33.528,3.81 34.671,3.81 35.814,3.81 36.83,3.81 37.846,3.81 11.811,4.445 9.398,4.699 13.716,4.699 41.91,4.699 66.675,4.699 68.199,4.699 12.827,5.969 9.144,6.096 66.548,6.096 67.818,6.096 68.961,6.096 8.636,7.366 81.153,7.62 80.264,8.636 81.153,9.398 79.629,9.779 80.899,10.541 114.173,11.43 116.586,11.43 114.681,13.716 110.744,16.383 113.538,16.637 116.078,16.637 115.997,18.334 111.125,18.542 113.665,18.542 156.337,23.749 155.575,25.654 157.099,26.035 154.559,26.924 155.702,27.559 157.226,27.686 135.509,28.194 154.686,28.575 153.416,28.702 135.636,30.226 137.922,30.226 139.954,30.734 135.636,31.877 137.668,31.877 139.446,31.877 68.072,32.512 69.088,32.512 70.231,32.512 68.072,34.036 69.215,34.036 70.231,34.036 68.072,35.56 69.215,35.56 70.231,35.56 3.683,40.259 5.08,40.259 6.604,40.259 3.81,41.656 6.731,41.783 5.207,42.037 3.683,43.307 5.207,43.307 6.604,43.307 16.002,44.831 14.859,46.101 109.347,47.117 107.061,47.244 104.775,47.498 15.113,47.625 104.902,49.149 107.442,49.149 109.093,49.276 105.156,50.8 109.22,50.8 107.061,50.927 84.201,51.181 82.042,51.308 73.533,51.435 75.311,51.435 77.216,51.435 57.658,51.999 8.636,52.197 86.614,52.197 104.648,52.578 88.392,52.705 108.966,52.705 90.551,52.832 106.807,52.832 87.122,53.594 8.509,53.721 89.281,53.721 118.254,64.66 9.398,65.659 9.398,67.564 9.271,69.342 9.398,71.12 60.325,72.771 62.23,72.771 64.77,72.898 62.357,74.295 64.643,74.295 60.452,74.676 62.357,75.946 64.897,75.946 60.452,76.2 16.383,78.486 14.097,79.883 12.7,81.661 41.148,81.915 42.799,82.042 44.45,82.042 11.049,83.312 101.727,84.709 103.759,84.709 105.41,84.836 11.049,85.344 13.335,85.471 101.346,85.979 102.997,85.979 105.156,86.233 74.295,91.44 76.454,92.964 78.74,93.091 55.245,94.107 51.816,94.234 53.721,94.234 79.248,94.488 72.898,94.615 75.565,94.615 95.123,94.996 90.805,95.123 92.456,95.123 93.853,95.123 89.281,95.377 76.581,96.393 79.248,96.393 74.041,96.52 89.154,96.647 89.027,97.917 50.165,107.696 52.959,107.696 55.499,107.696 50.292,109.093 53.086,109.093 55.626,109.093 106.807,109.855 50.419,110.49 53.213,110.49 55.753,110.49 104.902,110.871 106.299,112.395 72.517,112.649 75.565,112.649 102.997,113.411 117.094,114.046 72.771,114.3 107.442,114.808 109.347,114.935 75.565,115.062 111.379,115.062 105.283,115.824 72.898,116.332 75.692,116.586
L: F5.1 J5.1
N: J5.3 RT1.1
NetBR1_2: BR1.2 T1.3
NetBR1_3: BR1.3 T1.4
NetC1_1: C1.1 C2.1 D6.1 JRST.2 JRST.3 R2.1 U1.5 | length 82.8
  Top Layer w0.254: v1(33.528,71.374) 35.941,71.374 36.83,72.263 47.209,72.263 47.827,71.645 47.827,71.257 48.171,70.913 JRST.2@48.559,70.913 JRST.3@57.359,70.913 ; C1.1@48.702,48.895 C2.1@48.702,50.8 48.702,50.736 49.02,50.419 51.54,50.419 51.689,50.568 51.689,53.848 53.911,56.07 U1.5@55.419,56.07 ; D6.1@49.23,44.152 49.23,45.004 48.892,45.342 48.892,46.164 R2.1@48.575,46.482 48.575,48.641 48.766,48.832 48.966,48.631 v1(50.628,48.631)
  Bottom Layer w0.254: v1(33.528,71.374) 33.076,70.922 33.076,55.062 40.767,47.371 49.367,47.371 v1(50.628,48.631)
NetC3_2: C3.2 U1.26 Y1.2 | length 14.5
  Top Layer w0.254: C3.2@47.051,38.1 48.895,38.1 49.924,37.071 Y1.2@51.181,37.071 51.181,38.735 56.747,44.301 57.107,44.301 57.119,44.313 U1.26@57.119,44.37
NetC4_2: C4.2 U1.27 Y1.1 | length 20.1
  Top Layer w0.254: C4.2@46.924,33.528 48.514,33.528 49.771,32.271 Y1.1@51.181,32.271 53.975,35.065 53.975,40.865 56.036,42.926 56.928,42.926 57.538,43.536 57.538,43.622 57.619,43.703 U1.27@57.619,44.37
NetC56_1: C56.1 F5.2 T1.1 VR1.2
NetC56_2: C56.2 RT1.2 T1.2 VR1.1
NetD5_1: D5.1 L1.1 U13.2 | length 16.5
  Top Layer w0.254: U13.2@105.283,101.659 U13.2@105.283,101.756 108.614,101.756 108.839,101.981 D5.1@110.93,101.981 111.133,101.981 112.657,100.457 116.122,100.457 117.773,102.108 L1.1@119.788,102.108 ; D5.1@110.93,102.235 D5.1@111.379,102.235
NetD7_2: D7.2 L2.1 U18.2 | length 14.3
  Top Layer w0.254: U18.2@60.198,104.472 63.803,104.472 66.743,101.532 D7.2@68.072,101.532 ; D7.2@68.072,102.04 68.639,101.473 69.469,101.473 70.485,100.457 L2.1@72.671,100.457
NetD8_2: D8.2 L3.1 U19.2 | length 11.8
  Top Layer w0.254: U19.2@52.578,86.438 56.818,86.438 58.166,85.09 D8.2@58.166,83.371 58.361,83.566 L3.1@62.003,83.566
NetD10_1: D10.1 J30.2 Q1.2 R73.1 | length 24.9
  Top Layer w0.254: D10.1@150.451,42.845 152.065,42.845 153.438,44.218 155.597,44.218 156.157,44.778 ; Q1.2@153.797,36.041 153.797,40.259 154.432,40.894 155.448,40.894 156.157,41.603 156.157,44.778 ; J30.2@154.305,51.435 J30.2@154.686,51.435 156.718,49.403 156.718,45.339 156.157,44.778
NetD11_1: D11.1 J31.2 Q2.2 R74.1 | length 37.6
  Top Layer w0.254: Q2.2@131.799,11.557 Q2.2@135.03,11.557 ; R74.1@139.192,13.269 137.662,13.269 135.95,11.557 Q2.2@135.03,11.557 ; J31.2@154.051,17.145 154.051,14.859 145.796,6.604 140.97,6.604 140.821,6.753 140.821,7.242 141.905,8.326 D11.1@141.905,8.426 138.161,8.426 135.662,10.925 135.303,10.925 135.03,11.198 Q2.2@135.03,11.557
NetD12_1: D12.1 J32.2 Q3.2 R75.1 | length 47
  Top Layer w0.254: Q3.2@114.3,35.333 117.629,35.333 122.428,40.132 122.428,46.99 124.587,49.149 ; D12.1@122.855,56.305 121.627,56.305 121.478,56.156 R75.1@121.478,51.943 120.142,51.943 119.866,51.667 119.866,51.457 122.174,49.149 124.587,49.149 ; J32.2@135.763,53.879 136.032,53.609 J32.2@135.763,53.34 131.572,49.149 124.587,49.149
NetD13_1: D13.1 J33.2 Q4.2 R76.1 | length 79.9
  Top Layer w0.254: Q4.2@49.784,5.715 54.932,5.715 R76.1@55.25,5.397 ; D13.1@57.958,9.442 56.051,9.442 55.25,8.641 R76.1@55.25,5.397 ; J33.2@119.126,5.461 115.189,1.524 57.515,1.524 55.25,3.789 R76.1@55.25,5.334 R76.1@55.25,5.397
NetD14_1: D14.1 J33.6 Q5.2 R77.1 | length 120.7
  Top Layer w0.254: Q5.2@21.463,5.842 21.59,5.715 R77.1@26.802,5.715 26.802,8.26 27.957,9.415 ; v1(26.797,10.287) 27.669,9.415 27.957,9.415 ; D14.1@30.018,9.315 29.918,9.415 27.957,9.415
  Bottom Layer w0.254: v1(26.797,10.287) 26.797,10.541 27.305,11.049 40.64,11.049 43.457,8.232 78.89,8.232 84.328,2.794 126.619,2.794 J33.6@129.286,5.461
NetJ1_4: J1.4 R1.1 U1.2 | length 59.4
  Top Layer w0.254: J1.4@5.08,62.992 11.811,62.992 15.113,66.294 22.606,66.294 26.543,70.231 v1(36.068,70.231) ; v1(48.641,60.452) 49.784,59.309 R1.1@52.959,59.309 52.959,57.912 53.301,57.57 U1.2@55.419,57.57
  Bottom Layer w0.254: v1(36.068,70.231) 37.053,70.231 37.824,69.46 39.633,69.46 v1(48.641,60.452)